# Altium PCB 0.PCB1.PcbDoc (part 12 of 12)
Units mm, origin at the board's own origin, x right, y up, seen from the top; angles counter-clockwise.
Board outline 77 x 72 mm, 6 copper layers (Top Layer, Layer 1, Layer 3, Layer 4, Layer 2, Bottom Layer), stack 1.538 mm thick; 570 components, 490 nets, 3331 pads, 1909 vias.
Unrouted connection lines stored in the file: 2.
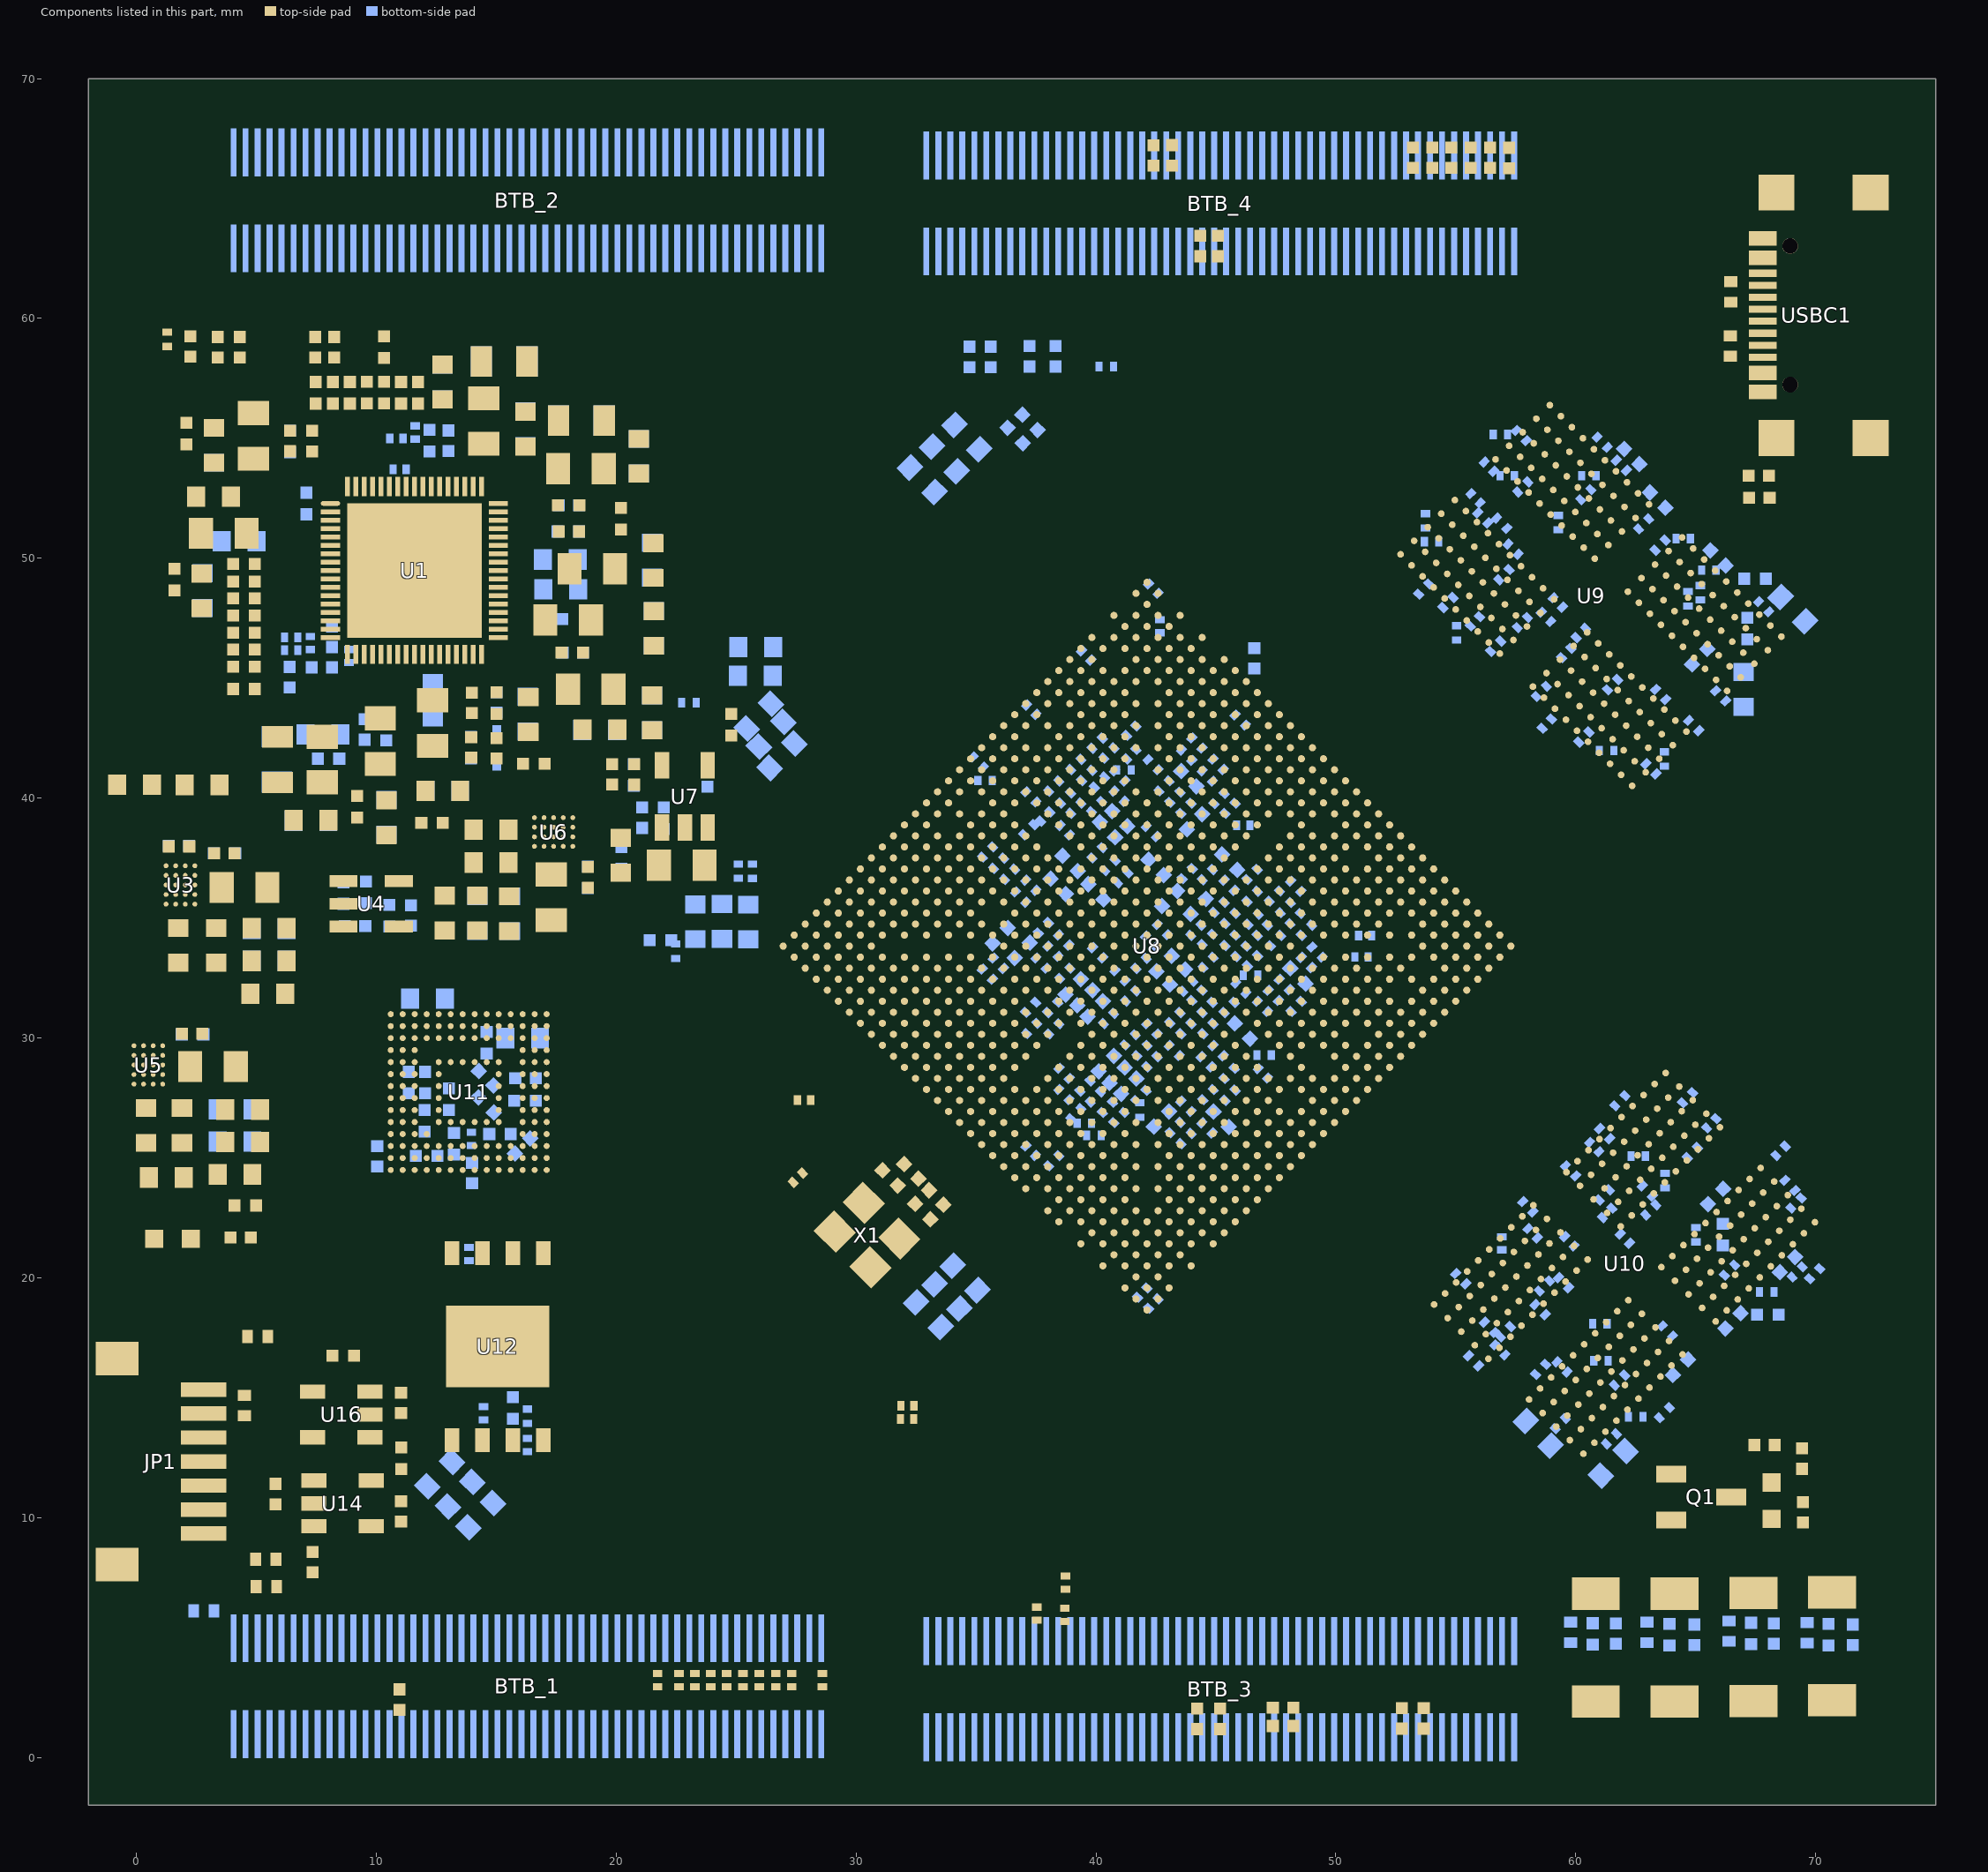
[diagram p16: the components of this part, seen from the top]

## Polygon pours and split planes (outlines as drawn) (continued)
VDD_VDENC_S0 on Layer 4 "VDD_VDENC_S0_L04_P176" (solid, remove dead copper, pour order 176): 20 vertices, not listed, extent 24.51,33.823 45.346,51.208
VCC1V8_PMU_DDR_S3 on Layer 4 "VCC1V8_PMU_DDR_S3_L04_P088" (solid, remove dead copper, pour order 88): 68.958,42.247 68.958,35.743 69.138,35.563 74.718,35.563 75,35.845 75,42.155
VCC1V8_PMU_DDR_S3 on Layer 4 "VCC1V8_PMU_DDR_S3_L04_P087" (solid, remove dead copper, pour order 87): -1.13,13.528 -0.648,13.528 0.662,12.218 68.704,12.218 72.173,15.687 72.173,37.59 75,37.59 75,6.658 68.732,0.389 -1.335,0.389
VDD2_DDR_S3 on Layer 4 "VDD2_DDR_S3_L04_P078" (solid, remove dead copper, pour order 78): 69.334,35.654 72.288,35.654 72.379,35.563 72.173,35.357 72.173,15.741 62.415,5.982 57.307,5.982 56.931,6.358 56.931,8.311 57.685,9.066 58.793,9.066 69.014,19.287 69.014,33.031 69.014,35.687
VDD_VDENC_S0 on Layer 4 "VDD_VDENC_S0_L04_P022" (solid, remove dead copper, pour order 22): 43.816,37.183 42.754,36.12 44.74,34.135 45.345,34.74 45.346,34.74 43.967,36.119 44.422,36.574 44.424,36.574
VDD_CPU_BIG0_S0 on Layer 4 "VDD_CPU_BIG0_S0_L04_P021" (solid, remove dead copper, pour order 21): 43.042,33.354 44.421,31.975 43.506,31.061 43.964,30.604 43.965,30.604 45.35,31.989 43.512,33.827
VCC_1V8_S0 on Layer 4 "VCC_1V8_S0_L04_P019" (solid, remove dead copper, pour order 19): 44.716,42.079 44.42,42.079 43.816,41.475 45.344,39.947 46.098,40.701
AVDD1V8_DDR_PLL_S0 on Layer 4 "AVDD1V8_DDR_PLL_S0_L04_P018" (solid, remove dead copper, pour order 18): 18 vertices, not listed, extent 44.418,26.46 47.186,31.069
VDD_LOGIC_S0 on Layer 4 "VDD_LOGIC_S0_L04_P012" (solid, remove dead copper, pour order 12): 21 vertices, not listed, extent 38.519,28.765 44.885,37.504
VDD2_DDR_S3 on Layer 4 "VDD2_DDR_S3_L04_P007" (solid, remove dead copper, pour order 7): 49.022,37.482 47.651,36.11 47.644,36.11 49.747,34.008 47.645,31.905 47.645,31.524 47.693,31.524 48.588,30.629 52.232,34.273
VDD_DDR_S0 on Layer 4 "VDD_DDR_S0_L04_P006" (solid, remove dead copper, pour order 6): 44.877,37.033 43.972,36.114 45.345,34.741 44.429,33.826 44.429,33.823 44.431,33.823 45.807,32.447 43.964,30.604 44.887,29.681 46.612,31.407 46.612,32.561 45.348,33.825 46.726,35.204
VDDQ_DDR on Layer 4 "VDDQ_DDR_L04_P004" (solid, remove dead copper, pour order 4): 21 vertices, not listed, extent 45.342,32.173 49.931,37.489
AVDD1V8_DDR_PLL_S0 on Layer 4 "AVDD1V8_DDR_PLL_S0_L04_P002" (solid, remove dead copper, pour order 2): 47.18,34.735 47.179,34.735 46.265,33.821 46.895,33.191 46.895,32.157 45.568,30.829 46.253,30.144 46.266,30.144 49.019,32.896
VCC1V8_PMU_DDR_S3 on Layer 4 "VCC1V8_PMU_DDR_S3_L04_P027" (solid, remove dead copper, pour order 27): 37.961,30.581 36.79,29.41 38.401,27.798 38.913,28.31 39.578,28.975
VCC_1V8_S0 on Layer 4 "VCC_1V8_S0_L04_P020" (solid, remove dead copper, pour order 20): 36.769,32.601 35.739,32.601 35.739,32.061 37.523,30.277 38.308,31.062
AVDD1V8_DDR_PLL_S0 on Layer 4 "AVDD1V8_DDR_PLL_S0_L04_P017" (solid, remove dead copper, pour order 17): 17 vertices, not listed, extent 40.289,26.007 44.932,28.31
VDD_CPU_BIG1_S0 on Layer 4 "VDD_CPU_BIG1_S0_L04_P016" (solid, remove dead copper, pour order 16): 41.358,29.835 43.039,28.154 43.04,27.837 42.426,27.223 40.587,29.062
VDD_LOGIC_S0 on Layer 4 "VDD_LOGIC_S0_L04_P032" (solid, remove dead copper, pour order 32): 23.118,54.544 21.77,54.544 19.496,56.818 15.519,56.818 14.889,56.188 13.916,56.188 13.583,56.52 13.591,56.528 13.591,59.807 14.17,60.386 23.388,60.386 25.252,58.522 25.252,54.493
VDD_VDENC_S0 on Layer 3 "VDD_VDENC_S0_L03_P047" (solid, remove dead copper, pour order 47): 26.979,49.574 24.262,52.29 0.058,52.29 0.058,40.348 0.291,40.115 2.052,40.115 2.285,40.348 2.189,40.445 2.189,47.723 4.039,49.574
VDDQ_DDR on Layer 3 "VDDQ_DDR_L03_P182" (solid, remove dead copper, pour order 182): 25 vertices, not listed, extent -1.512,34.016 54.736,69.502
VDD_NPU_S0 on Layer 3 "VDD_NPU_S0_L03_P092" (solid, remove dead copper, pour order 92): 13.65,32.464 37.556,32.464 38.911,33.818 38.911,34.818 38.07,35.659 37.2,35.659 34.439,38.42 23.794,38.42 21.81,36.437 18.477,36.437 17.83,37.083 13.275,37.083 11.978,35.786 11.978,33.998
VDDQ_DDR on Layer 3 "VDDQ_DDR_L03_P066" (solid, remove dead copper, pour order 66): 51 vertices, not listed, extent 51.98,-1.549 74.782,31.12
VDD_GPU_S0 on Layer 3 "VDD_GPU_S0_L03_P178" (solid, remove dead copper, pour order 178): 19 vertices, not listed, extent 18.774,36.632 50.228,59.568
VDD2_DDR_S3 on Layer 3 "VDD2_DDR_S3_L03_P037" (solid, remove dead copper, pour order 37): 39 vertices, not listed, extent 1.396,8.629 52.512,45.098
VDD_CPU_BIG0_S0 on Layer 3 "VDD_CPU_BIG0_S0_L03_P069" (solid, remove dead copper, pour order 69): 38 vertices, not listed, extent -1.355,4.646 54.498,38.189
VCC1V8_PMU_DDR_S3 on Layer 3 "VCC1V8_PMU_DDR_S3_L03_P033" (solid, remove dead copper, pour order 33): 22 vertices, not listed, extent 5.935,22.615 40.751,42.761
VDD_DDR_S0 on Layer 3 "VDD_DDR_S0_L03_P070" (solid, remove dead copper, pour order 70): 23 vertices, not listed, extent -1.55,-1.234 58.335,38.555
VDDQ_DDR on Layer 3 "VDDQ_DDR_L03_P061" (solid, remove dead copper, pour order 61): 80 vertices, not listed, extent 50.728,40.069 74.779,69.513
VCC1V8_PMU_DDR_S3 on Layer 3 "VCC1V8_PMU_DDR_S3_L03_P059" (solid, remove dead copper, pour order 59): 84 vertices, not listed, extent 54.007,41.413 67.873,54.727
VDD_DDR_S0 on Layer 3 "VDD_DDR_S0_L03_P067" (solid, remove dead copper, pour order 67): 18 vertices, not listed, extent 44.882,32.368 55.577,38.752
VDD_CPU_BIG0_S0 on Layer 3 "VDD_CPU_BIG0_S0_L03_P068" (solid, remove dead copper, pour order 68): 42.035,32.346 46.634,27.747 54.505,27.747 54.505,32.5 45.752,32.5 43.97,34.282
VDD_CPU_BIG1_S0 on Layer 3 "VDD_CPU_BIG1_S0_L03_P035" (solid, remove dead copper, pour order 35): 18 vertices, not listed, extent 3.896,17.326 46.251,30.603
VDD_GPU_S0 on Layer 3 "VDD_GPU_S0_L03_P186" (solid, remove dead copper, pour order 186): 17.914,59.561 17.914,55.517 18.153,55.278 20.553,55.278 20.931,55.657 20.931,59.586
VCC1V8_PMU_DDR_S3 on Layer 3 "VCC1V8_PMU_DDR_S3_L03_P063" (solid, remove dead copper, pour order 63): 119 vertices, not listed, extent 52.694,12.822 69.321,27.521
AVDD1V8_DDR_PLL_S0 on Layer 3 "AVDD1V8_DDR_PLL_S0_L03_P026" (solid, remove dead copper, pour order 26): 40.777,41.121 38.265,38.609 37.161,38.609 37.027,38.475 37.072,38.43 37.072,37.496 38.907,37.496 41.556,40.145 41.678,40.145
VDD2_DDR_S3 on Layer 3 "VDD2_DDR_S3_L03_P054" (solid, remove dead copper, pour order 54): 37 vertices, not listed, extent 57.338,15.398 67.231,24.892
VDD2_DDR_S3 on Layer 3 "VDD2_DDR_S3_L03_P055" (solid, remove dead copper, pour order 55): 26 vertices, not listed, extent 54.774,42.756 66.951,53.19
VCC1V8_PMU_DDR_S3 on Layer 3 "VCC1V8_PMU_DDR_S3_L03_P085" (solid, remove dead copper, pour order 85): 31 vertices, not listed, extent 58.191,23.027 72.989,44.423
VDD2_DDR_S3 on Layer 3 "VDD2_DDR_S3_L03_P072" (solid, remove dead copper, pour order 72): 23 vertices, not listed, extent 54.729,23.239 61.897,46.599
VDD_DDR_S0 on Layer 3 "VDD_DDR_S0_L03_P184" (solid, remove dead copper, pour order 184): 46.819,32.388 46.893,32.388 47.142,32.637 48.676,32.637 49.092,33.053 49.064,33.081 49.064,33.328 47.35,33.328 46.999,32.977 46.509,32.977
VDD_CPU_BIG0_S0 on Layer 3 "VDD_CPU_BIG0_S0_L03_P183" (solid, remove dead copper, pour order 183): 45.359,32.479 45.404,32.434 45.658,32.434 45.752,32.34 45.752,31.758 45.653,31.659 45.153,31.659 45.026,31.786 45.026,32.383
VDD_NPU_S0 on Layer 3 "VDD_NPU_S0_L03_P181" (solid, remove dead copper, pour order 181): 36.156,36.46 36.446,36.17 36.784,36.17 37.304,35.649 37.304,34.882 36.152,34.882
no net on Layer 3 "NONET_L03_P034" (solid, remove dead copper, pour order 34): 39.832,29.229 38.505,30.557 37.937,30.557 36.79,29.41 38.661,27.539 38.8,27.539
VDDQ_DDR on Layer 3 "VDDQ_DDR_L03_P086" (solid, remove dead copper, pour order 86): 68.927,40.069 72.989,36.007 72.971,35.99 72.971,30.661 73.885,29.746 74.782,29.746 74.782,40.283 72.991,42.035
VDD2_DDR_S3 on Layer 3 "VDD2_DDR_S3_L03_P084" (solid, remove dead copper, pour order 84): 71.168,33.551 70.667,33.051 60.987,33.051 60.421,33.617 60.421,35.187 61.203,35.969 61.414,35.758 71.264,35.758
VCC1V8_PMU_DDR_S3 on Layer 3 "VCC1V8_PMU_DDR_S3_L03_P065" (solid, remove dead copper, pour order 65): 40 vertices, not listed, extent 52.346,51.278 58.348,56.985
VDD2_DDR_S3 on Layer 3 "VDD2_DDR_S3_L03_P064" (solid, remove dead copper, pour order 64): 55.862,53.033 55.851,53.043 55.188,53.043 54.033,51.887 53.72,51.887 53.542,52.065 53.542,53.025 56.09,55.573 56.59,55.573 56.855,55.309 56.85,55.304 56.85,54.935 56.171,54.257 56.171,53.706 56.171,53.295
no net on Bottom Layer "NONET_L06_P195" (solid, remove dead copper, pour order 195): 24.459,10.521 24.459,5.974 24.858,5.576 25.509,5.576 25.509,10.054 25.021,10.541
GND on Bottom Layer "GND_L06_P194" (solid, remove dead copper, pour order 194): -2,70 75,70 75,-2.001 -1.992,-2.001 -1.997,-1.996
VDD_CPU_LIT_S0 on Bottom Layer "VDD_CPU_LIT_S0_L06_P179" (solid, remove dead copper, pour order 179): 29 vertices, not listed, extent 19.181,30.397 29.341,45.215
VCC_1V1_NLDO_S3 on Bottom Layer "VCC_1V1_NLDO_S3_L06_P090" (solid, remove dead copper, pour order 90): 32 vertices, not listed, extent 4.756,36.058 23.182,49.768
VCC_2V0_PLDO_S3 on Bottom Layer "VCC_2V0_PLDO_S3_L06_P089" (solid, remove dead copper, pour order 89): 25 vertices, not listed, extent 9.567,46.076 22.414,56.8
VCC4V0_SYS on Bottom Layer "VCC4V0_SYS_L06_P141" (solid, remove dead copper, pour order 141): 8.699,41.392 8.699,41.41 9.062,41.773 9.006,41.829 9.006,44.082 8.849,44.24 8.823,44.214 8.115,44.214 8.115,44.212 7.749,43.846 7.749,41.684 8.028,41.405
GND on Bottom Layer "GND_L06_P163" (solid, remove dead copper, pour order 163): 17 vertices, not listed, extent 21.612,33.795 26.215,36.945
GND on Bottom Layer "GND_L06_P157" (solid, remove dead copper, pour order 157): 35.105,20.064 34.907,20.064 32.849,18.006 32.849,17.775 33.421,17.204 33.728,17.204 35.879,19.355
VDD_CPU_BIG1_S0 on Bottom Layer "VDD_CPU_BIG1_S0_L06_P156" (solid, remove dead copper, pour order 156): 34.068,21.067 33.753,21.067 31.709,19.022 31.709,18.702 32.278,18.133 32.28,18.136 32.57,18.136 34.884,20.45 34.261,21.072 34.063,21.072
VDD_NPU_S0 on Bottom Layer "VDD_NPU_S0_L06_P149" (solid, remove dead copper, pour order 149): 22.877,34.506 22.905,34.506 23.027,34.628 25.981,34.628 26.202,34.407 26.202,33.594 25.981,33.373 22.895,33.373 22.895,33.45 22.875,33.47
VCC1V8_PMU_DDR_S3 on Bottom Layer "VCC1V8_PMU_DDR_S3_L06_P077" (solid, remove dead copper, pour order 77): 19 vertices, not listed, extent -1.41,6.559 10.228,33.5
VDD_CPU_BIG0_S0 on Bottom Layer "VDD_CPU_BIG0_S0_L06_P075" (solid, remove dead copper, pour order 75): -0.971,35.355 -0.681,35.644 3.586,35.644 4.968,37.026 5.534,37.026 7.106,35.454 7.106,31.471 6.761,31.126 -1.045,31.126
VCC1V8_PMU_DDR_S3 on Bottom Layer "VCC1V8_PMU_DDR_S3_L06_P154" (solid, remove dead copper, pour order 154): 9.86,41.984 9.669,41.794 9.672,41.791 9.672,41.27 9.578,41.27 8.938,40.63 8.965,40.602 8.965,39.67 9.199,39.436 10.985,39.436 11.13,39.581 11.13,42.017
VCC4V0_SYS on Bottom Layer "VCC4V0_SYS_L06_P091" (solid, remove dead copper, pour order 91): 4.099,3.866 4.188,3.955 6.377,3.955 6.423,3.909 6.4,3.887 6.4,2.159 6.281,2.04 4.132,2.04 4.132,2.045 4.096,2.081
GND on Bottom Layer "GND_L06_P143" (solid, remove dead copper, pour order 143): 18.023,50.361 18.336,50.673 19.324,50.673 19.677,50.32 19.677,48.118 19.59,48.032 18.049,48.032
GND on Bottom Layer "GND_L06_P165" (solid, remove dead copper, pour order 165): 13.474,37.412 13.096,37.412 12.209,36.526 12.209,35.535 12.361,35.383 16.055,35.383 16.276,35.604 16.276,37.442
VDD_VDENC_S0 on Bottom Layer "VDD_VDENC_S0_L06_P048" (solid, remove dead copper, pour order 48): 0.063,41.628 0.074,41.64 8.474,41.64 8.874,41.24 8.874,38.369 8.7,38.195 8.684,38.212 3.151,38.212 2.776,38.588 2.776,39.297 0.175,39.297 0.048,39.424
GND on Bottom Layer "GND_L06_P171" (solid, remove dead copper, pour order 171): 21.165,46.719 21.168,46.721 24.609,46.721 24.609,46.617 25.1,46.127 25.1,43.389 24.914,43.203 24.879,43.239 23.357,43.239 23.357,43.381 23.121,43.617 23.121,45.375 23.07,45.375 22.582,45.863 21.152,45.863
VDDQ_DDR on Bottom Layer "VDDQ_DDR_L06_P155" (solid, remove dead copper, pour order 155): 5.138,56.388 5.587,56.388 6.283,55.692 6.682,55.692 6.682,55.677 6.753,55.606 6.753,54.933 6.646,54.826 5.206,54.826 4.978,55.055 4.978,56.383
VDD_LOGIC_S0 on Bottom Layer "VDD_LOGIC_S0_L06_P146" (solid, remove dead copper, pour order 146): 12.344,56.993 12.344,56.577 11.864,56.097 11.874,56.087 11.874,55.111 11.983,55.002 13.352,55.002 13.469,55.118 13.469,56.82 13.286,57.003
VDD_GPU_S0 on Bottom Layer "VDD_GPU_S0_L06_P148" (solid, remove dead copper, pour order 148): 19.077,56.365 18.935,56.365 18.813,56.244 18.864,56.193 18.864,54.58 19.265,54.179 21.353,54.179 21.569,54.394 21.569,55.268 21.554,55.283 21.551,55.281 19.849,55.281 19.849,55.377 19.722,55.504 19.722,56.358
GND on Bottom Layer "GND_L06_P166" (solid, remove dead copper, pour order 166): 5.214,43.018 5.214,42.154 5.26,42.108 6.603,42.108 7.332,41.379 7.815,41.379 7.815,41.837 7.84,41.862 7.736,41.966 7.736,43 7.502,43.234 5.272,43.234
VDD_NPU_S0 on Bottom Layer "VDD_NPU_S0_L06_P164" (solid, remove dead copper, pour order 164): 12.323,34.956 12.191,34.824 12.191,33.988 12.402,33.777 15.943,33.777 16.133,33.968 16.133,34.984
GND on Bottom Layer "GND_L06_P162" (solid, remove dead copper, pour order 162): 1.899,15.604 1.899,15.571 1.79,15.461 1.79,14.011 1.897,13.904 3.769,13.904 3.941,14.077 3.941,15.601
VCC4V0_SYS on Bottom Layer "VCC4V0_SYS_L06_P161" (solid, remove dead copper, pour order 161): 1.843,13.541 1.843,12.053 1.978,11.918 3.746,11.918 3.987,12.159 3.987,13.556
GND on Bottom Layer "GND_L06_P160" (solid, remove dead copper, pour order 160): 8.391,35.84 8.391,35.355 8.808,34.938 9.181,34.938 9.181,34.458 9.237,34.402 9.829,34.402 9.872,34.445 9.872,35.134 9.989,35.25 10.815,35.25 10.898,35.334 10.898,35.865
GND on Bottom Layer "GND_L06_P159" (solid, remove dead copper, pour order 159): 3.022,27.44 3.022,25.268 3.063,25.228 3.819,25.228 3.934,25.342 3.934,27.427
VDD_CPU_BIG1_S0 on Bottom Layer "VDD_CPU_BIG1_S0_L06_P153" (solid, remove dead copper, pour order 153): 4.487,27.531 4.487,27.526 4.3,27.338 4.3,23.77 4.406,23.663 5.547,23.663 5.704,23.82 5.679,23.846 5.679,27.524
GND on Bottom Layer "GND_L06_P152" (solid, remove dead copper, pour order 152): 12.087,11.855 14.399,9.543 14.399,9.523 14.35,9.523 13.855,9.028 11.559,11.324 11.559,11.331
VDD_CPU_BIG0_S0 on Bottom Layer "VDD_CPU_BIG0_S0_L06_P151" (solid, remove dead copper, pour order 151): 13.103,12.898 13.103,12.891 15.392,10.602 14.876,10.087 14.858,10.087 14.858,10.097 12.588,12.368
VDD_LOGIC_S0 on Bottom Layer "VDD_LOGIC_S0_L06_P147" (solid, remove dead copper, pour order 147): 13.957,58.837 13.936,58.817 13.936,56.553 14.282,56.208 14.36,56.287 15.135,56.287 15.298,56.449 15.298,58.839
VCC4V0_SYS on Bottom Layer "VCC4V0_SYS_L06_P144" (solid, remove dead copper, pour order 144): 4.642,51.131 5.854,51.131 6.088,50.897 6.088,50.249 5.986,50.148 4.66,50.148
VCC4V0_SYS on Bottom Layer "VCC4V0_SYS_L06_P142" (solid, remove dead copper, pour order 142): 16.583,48.276 16.585,48.273 17.373,48.273 17.657,48.558 17.64,48.575 17.64,50.605 17.513,50.732 16.654,50.732 16.54,50.617
GND on Top Layer "GND_L01_P192" (solid, remove dead copper, pour order 192): -2,70 75,70 75,-2 -2,-2
GND on Top Layer "GND_L01_P174" (solid, remove dead copper, pour order 174): 17 vertices, not listed, extent 1.307,45.057 4.587,50.066
NetL2_1 on Top Layer "NETL2_1_L01_P098" (solid, remove dead copper, pour order 98): 18 vertices, not listed, extent 14.681,51.839 18.341,54.367
NetL4_1 on Top Layer "NETL4_1_L01_P102" (solid, remove dead copper, pour order 102): 14.686,47.14 14.691,47.135 15.531,47.135 17.482,45.184 17.485,45.187 18.501,45.187 18.501,43.894 18.488,43.881 17.401,43.881 14.683,46.599
GND on Top Layer "GND_L01_P169" (solid, remove dead copper, pour order 169): 15.867,43.475 15.867,43.434 15.702,43.269 15.712,43.259 15.712,42.144 15.945,41.91 18.849,41.91 19.11,42.172 19.098,42.185 19.098,43.32 19.011,43.32 18.785,43.546
GND on Top Layer "GND_L01_P127" (solid, remove dead copper, pour order 127): 1.089,33.434 1.089,33.45 1.287,33.648 3.977,33.648 4.305,33.32 4.305,32.525 4.355,32.474 5.28,32.474 5.364,32.39 5.364,31.382 5.252,31.27 5.239,31.283 1.373,31.283 1.373,31.288 1.117,31.545
GND on Top Layer "GND_L01_P173" (solid, remove dead copper, pour order 173): 2.059,52.144 3.149,52.144 3.428,52.423 3.428,53.01 3.792,53.01 4.162,53.381 4.162,54.547 3.946,54.763 2.806,54.763 2.367,55.202 1.866,55.202 1.803,55.139 1.803,54.394 2.044,54.153 2.044,52.152
VDD_NPU_S0 on Top Layer "VDD_NPU_S0_L01_P133" (solid, remove dead copper, pour order 133): 18.734,38.138 19.087,37.785 19.087,36.736 19.024,36.673 18.602,36.673 18.526,36.749 18.526,37.422 18.038,37.91 18.038,38.138
NetL13_1 on Top Layer "NETL13_1_L01_P130" (solid, remove dead copper, pour order 130): 16.522,38.492 16.461,38.431 16.461,36.307 16.616,36.152 17.998,36.152 18.12,36.274 18.12,37.351 17.871,37.6 17.307,37.6 17.307,37.641 17.18,37.768 17.18,38.497
VDD_DDR_S0 on Top Layer "VDD_DDR_S0_L01_P114" (solid, remove dead copper, pour order 114): 18 vertices, not listed, extent 18.203,48.806 21.965,51.451
GND on Top Layer "GND_L01_P131" (solid, remove dead copper, pour order 131): 26 vertices, not listed, extent 17.147,36.757 18.526,39.368
VDD_NPU_S0 on Top Layer "VDD_NPU_S0_L01_P124" (solid, remove dead copper, pour order 124): 18.549,36.561 18.536,36.561 17.386,35.41 17.378,35.418 16.316,35.418 15.958,35.06 12.448,35.06 12.27,34.882 12.27,34.024 12.44,33.853 17.932,33.853 19.204,35.126 19.204,36.543
GND on Top Layer "GND_L01_P170" (solid, remove dead copper, pour order 170): 22 vertices, not listed, extent 4.52,38.634 6.954,42.987
GND on Top Layer "GND_L01_P168" (solid, remove dead copper, pour order 168): 15.818,58.827 15.841,58.85 16.723,58.85 16.723,58.829 18.457,57.094 18.457,55.24 18.305,55.088 16.42,55.088 15.755,55.753 15.785,55.784 15.785,58.85
VDD2_DDR_S3 on Top Layer "VDD2_DDR_S3_L01_P082" (solid, remove dead copper, pour order 82): 17 vertices, not listed, extent 31.432,-1.742 59.806,10.849
GND on Top Layer "GND_L01_P189" (solid, remove dead copper, pour order 189): 163 vertices, not listed, extent 50.863,37.962 63.707,52.282